# Allegro board 1119394-C028P02-36-DE2-C01_pcb.brd (continued)
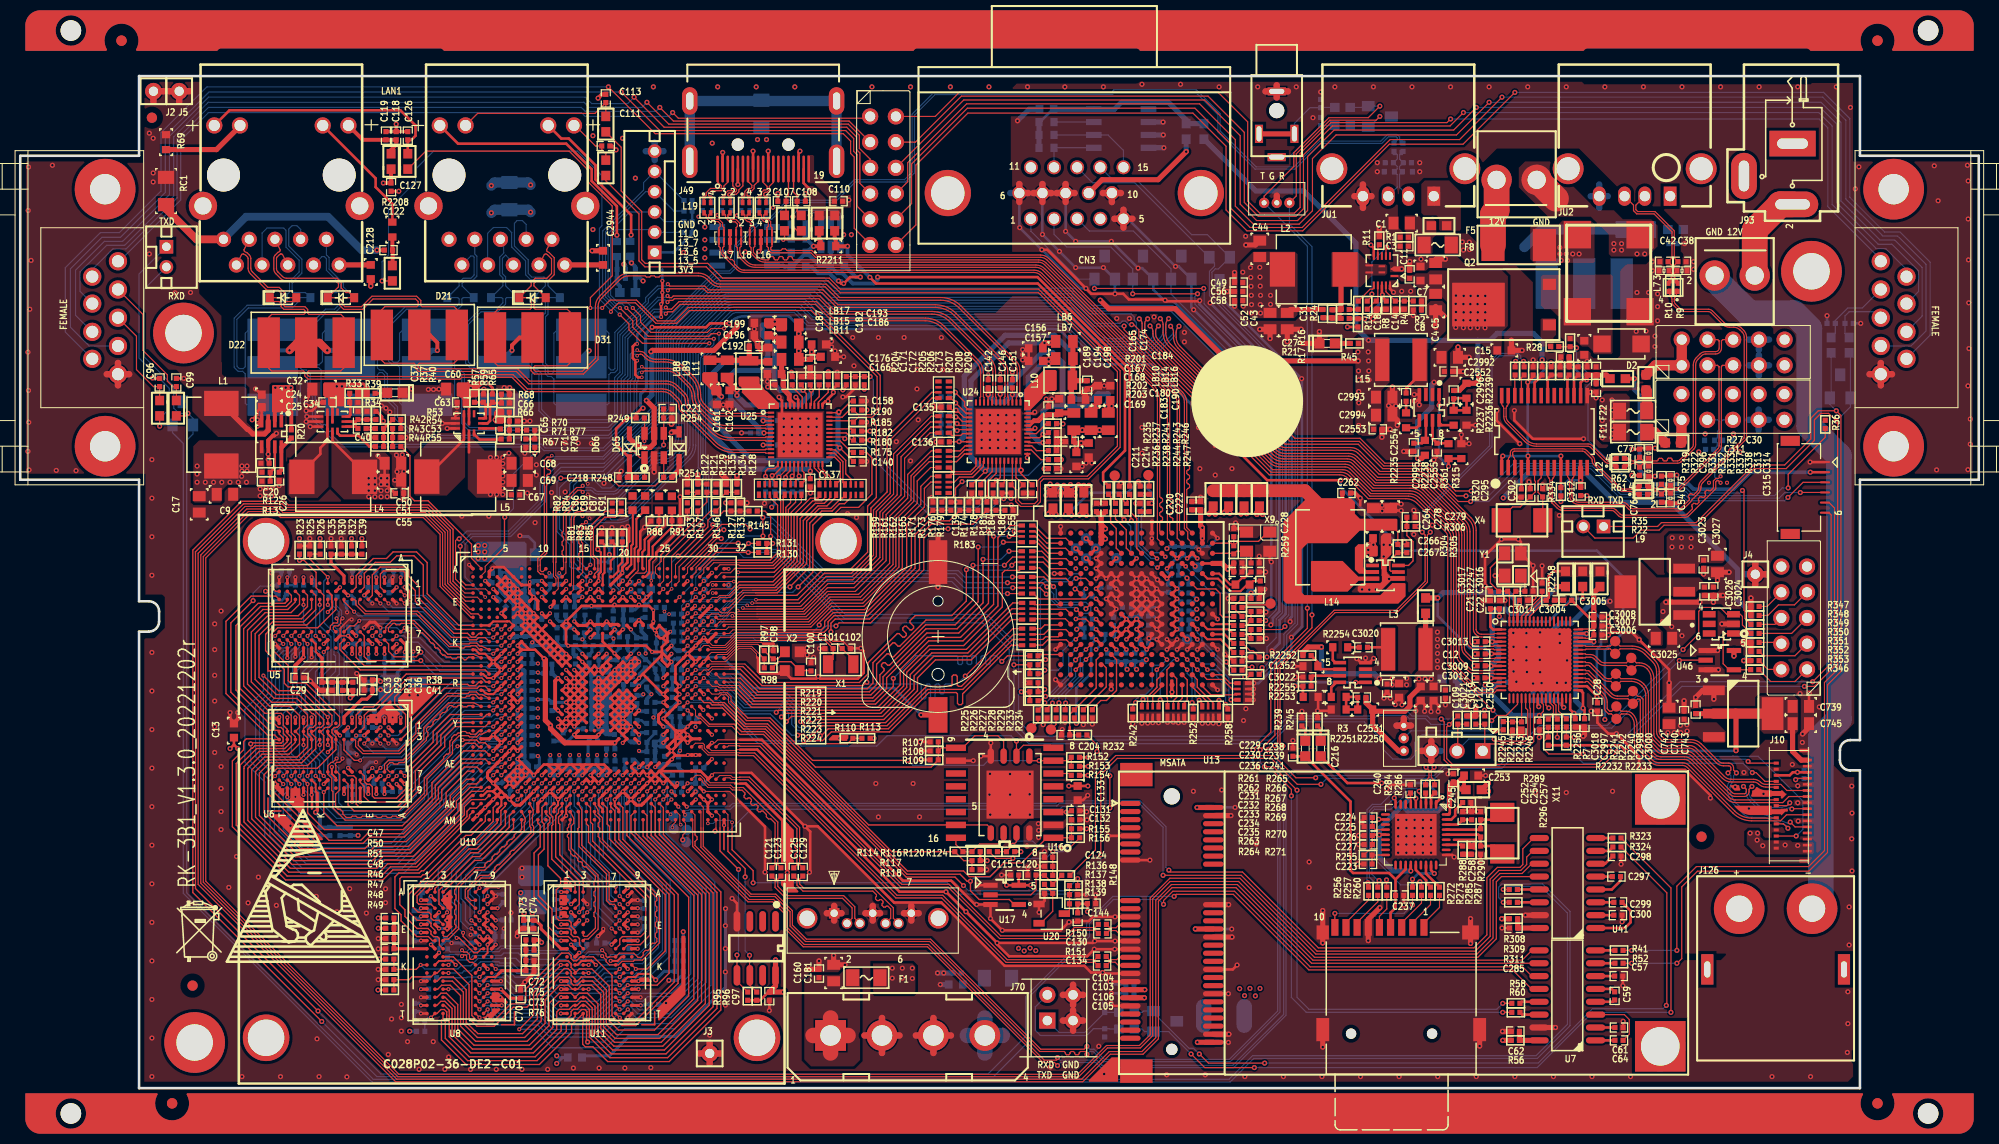
[diagram p0: board, top side]
## Routing (per net, layer and track width the routed paths; a pad name or vN(x,y) marks a point on that pad's centre or on a via; arc(x,y) is an arc through that point) (continued)
GND_EARTH: length 169.2
  TOP w0.305: C118.2 v2(37.13,95.25) ; C118.2 C126.2 ; C118.2 C119.2 ; C111.2 58.47,93.09 v2(58.85,92.71)
  TOP w0.381: D21.2 40.44,74.42 41.2,73.66 v2(41.2,72.9) ; v2(57.07,97.82) 57.45,98.2 C113.2 ; v2(48.56,72.9) 48.56,73.41 49.33,74.17 D31.2 ; C122.2 v2(35.23,82.8)
  TOP w0.762: v2(26.59,72.9) 27.36,73.66 D22.2 29.57,73.66 v2(30.33,72.9) ; J11.10 17.4,83.87 14.4,86.87 RC1.1
  GND02 w0.508: 54.72,85.16 55.49,85.16 55.93,85.6 57.07,85.6 58.85,87.38 v2(58.85,92.71) 58.34,93.22 58.34,94.74 57.07,96.01 v2(57.07,97.82)
  GND02 w0.762: J115.10 44.97,86.49 v2(46.53,86.49) 50.34,86.49 ; J115.10 39.6,83.87 38.53,82.8 v2(35.23,82.8) ; J115.10 42.35,82.94 41.2,81.79 v2(41.2,72.9) ; 50.34,86.49 v2(50.41,86.55) 50.47,86.49 ; 50.34,86.49 50.47,86.49 ; 50.47,86.49 53.39,86.49 54.72,85.16 54.72,84.14 55.3,83.57 55.3,76.96 56.18,76.07 v2(56.18,72.86) 56.15,72.9 v2(48.56,72.9) ; J11.10 19.74,83.53 19.74,77.47 24.31,72.9 v2(26.59,72.9)
  PWR03 w0.508: v2(58.85,92.71) 58.85,86.11 58.09,85.34 58.09,82.93 v2(59.61,81.41) ; v2(37.13,95.25) 37.13,91.31 36.63,90.81 36.63,84.2 v2(35.23,82.8)
  BOTTOM w0.381: v2(26.59,72.9) 25.45,72.9 24.94,72.39 D20.2 ; v2(59.61,81.41) 59.77,81.25 C117.2 C116.2
  BOTTOM w0.508: v2(41.2,72.9) 40.69,72.9 40.18,72.39 D34.2 ; D32.2 55.42,72.1 v2(56.18,72.86) ; D33.2 47.8,72.14 v2(48.56,72.9) ; D19.2 32.56,72.14 31.8,72.9 v2(30.33,72.9)
  BOTTOM w0.762: v2(35.23,82.8) 33.71,82.8 30.4,86.11 22.31,86.11 J11.10
  BOTTOM w1.016: v2(50.41,86.55) 50.16,86.79 RC2.1 46.84,86.79 v2(46.53,86.49)
PGND: length 82.1
  TOP w2.54: 151.69,87.88 149.83,89.75 J125.2
  GND02 w2.54: 154.23,84.84 149.78,89.28 J125.2
  BOTTOM w0.635: 167.36,79.96 167.36,78.59
  BOTTOM w2.54: J94.2 167.36,79.96 170.74,76.58 175.18,76.58 176.71,75.06 176.71,65.41 179.63,62.48 179.63,36.45 177.85,34.67 177.85,18.6 J126.2
  vias: v2(157.4,83.44) v2(157.4,82.8) v2(158.17,83.44) v2(158.17,82.8) v2(159.69,82.42) v2(160.45,82.42)
VCC12_TX: length 28.4
  TOP w0.127: U1.59 149.09,46.6 150.19,47.7 152.73,47.7 C3005.2 ; C3006.2 155.08,44.43 154.61,44.43 154.57,44.48 153.93,44.48 U1.46 ; U1.48 153.94,45.36 155.12,45.36 C3007.2
  TOP w0.254: C3008.2 154.89,46.56 C3005.2 ; C28.1 155.73,38.13 v2(155.73,38.63) 155.73,38.73 154.75,39.72 U1.34 ; C3006.2 C3007.2
  TOP w0.508: C3007.2 C3008.2 v2(155.42,47.09) 155.42,48.95 LB57.2
  BOTTOM w0.254: v2(155.73,38.63) 155.73,43.36 156.13,43.76 156.13,46.38 v2(155.42,47.09)
VCC12A_RX: length 20.5
  TOP w0.254: C3012.2 145.27,40.54 v2(145.29,40.52) U1.13 ; C3009.2 145.26,41.73 v2(145.28,41.72) U1.10 ; U1.4 v2(145.39,44.12) 145.39,44.12 C3013.2
  TOP w0.508: v2(151.74,49.56) LB55.2
  BOTTOM w0.508: v2(151.74,49.56) 149.1,46.91 147.17,46.91 146.76,47.32 145.75,47.32 145.39,46.96 v2(145.39,44.12) 146.02,43.48 146.02,42.46 v2(145.28,41.72) 145.28,40.53 v2(145.29,40.52)
VCC12D_RX: length 15.2
  TOP w0.254: v2(154.33,48.36) LB56.2 ; U1.1 145.49,45.32 145.21,45.59 C21.1 C22.2 v2(146.1,46.61)
  BOTTOM w0.254: v2(154.33,48.36) 153.24,48.36 150.98,46.1 146.61,46.1 v2(146.1,46.61)
VCC33: length 23.1
  TOP w0.254: J10.27 v2(175.54,31.21) 175.08,31.21 174.78,30.91 J10.26
  TOP w0.508: C2531.2 132.92,38.07 R2250.2 ; v2(143.76,37.72) R2243.2 R2244.2 ; U46.5 v2(169.27,42.7) ; v2(147.37,34.92) 147.37,35.36 R7.1 ; R2250.2 133.58,35.89 136.14,33.32 J122.1 ; R2250.2 133.76,37.24 136.75,37.24 137.26,37.74 137.26,38.62 C3019.1 ; L3.2 138.81,46.91 LB53.1
  vias: v2(138.15,40.44) v2(138.76,40.44) v2(139.37,40.44) v2(139.98,45.06) v2(139.98,44.35) v2(139.98,43.66) v2(139.98,42.95) v2(139.98,42.21) v2(139.98,41.55) v2(162.74,35.13) v2(163.14,53.47) v2(163.17,54.38) v2(163.37,35.13) v2(163.98,35.84) v2(164.01,35.13) v2(164.08,54.38) v2(164.08,53.47) v2(164.62,35.92) v2(164.64,35.28) v2(165.05,54.36) v2(165.02,53.47) v2(170.87,25.2) v2(171.6,25.2) v2(171.55,24.51) v2(172.11,23.95) v2(174.32,24.03) v2(175.56,23.98)
VCC33_RX: length 22.4
  TOP w0.254: C12.1 145.31,42.9 v2(145.32,42.92) U1.7 ; C3014.2 v2(148.08,47.85) 148.08,47.73 147.89,47.53 U1.62
  TOP w0.508: LB53.2 v2(140,48.44)
  BOTTOM w0.254: v2(140,48.44) 140,46.66 143.18,43.48 144.68,43.48 145.25,42.92 v2(145.32,42.92)
  BOTTOM w0.508: v2(148.08,47.85) 146.96,48.97 140.54,48.97 v2(140,48.44)
VCC33_TX: length 39.6
  TOP w0.114: U1.14 146.23,40.06 144.93,40.06 v2(144.7,39.83) ; U1.25 150.29,38.08 150.44,37.92 150.44,37.24 v2(150.04,36.83)
  TOP w0.254: C3000.2 154.51,37.39 v2(154.36,37.54) 154.36,39.06 154.1,39.32 U1.33 ; C2997.2 v2(150.04,36.83) ; U1.45 v2(155.42,44.12) ; U1.32 153.09,37.41 v2(153.47,37.03) 153.59,36.91 C2998.2 ; U1.47 v2(154.71,44.92)
  BOTTOM w0.508: C3001.2 C6.2 154.68,44.88 v2(154.71,44.92) ; C3001.2 155.3,43.99 v2(155.42,44.12) ; C3001.2 153.64,38.25 v2(154.36,37.54) 153.85,37.03 v2(153.47,37.03) 153.26,36.83 v2(150.04,36.83) 147.37,36.83 145.1,39.1 ; 144.68,39.1 C2.1 141.96,39.23 LB54.2 ; 144.68,39.1 144.68,39.8 v2(144.7,39.83) ; 144.68,39.1 145.1,39.1 ; 145.1,39.1 C2999.1
VCC_5V_SATA1: length 6.9
  BOTTOM w1.524: 97,5.21 J70.4 ; J70.4 93.55,5.21 ; J70.4 95.28,6.93 ; J70.4 95.28,3.48
VCC_12V_SATA1: length 6.9
  TOP w1.524: 80.04,6.93 J70.1 ; J70.1 81.76,5.21 ; J70.1 80.04,3.48 ; J70.1 78.31,5.21
VDD: length 27.3
  TOP w0.127: C3004.2 150.29,48.21 148.69,46.61 U1.60
  TOP w0.254: U1.30 152.29,37.78 v2(152.45,37.62) ; C3004.2 150.98,48.46 150.98,50.62 151.43,51.08 LB55.1 ; v2(149.99,37.69) 149.89,37.79 U1.24
  BOTTOM w0.254: C19.2 151.76,38.3 v2(152.45,37.62) ; v2(149.99,37.69) 149.99,38.33
  BOTTOM w0.508: 151.03,38.33 151.03,44.91 152.07,45.95 153.21,45.95 155.37,48.11 v2(157.02,48.11) ; 151.03,38.33 151.74,38.33 C19.2 ; 151.03,38.33 C16.1 C3002.2
VDD18: length 2.3
  TOP w0.114: U34.13 133.87,25.54 C225.2 C224.2
VDD18PLL: length 2.7
  TOP w0.254: C254.2 C252.2 142,26.04 U34.34
AC0_MICBIAS1: length 6.3
  TOP w0.203: U10.D19 v1(59.52,49.32)
  BOTTOM w0.114: C391.1 58.98,53.62 58.98,49.76 59.42,49.32 v1(59.52,49.32)
AC0_MICBIAS2: length 0.6
  TOP w0.203: U10.C19 v1(59.52,50.12)
AC0_VREF: length 3.9
  TOP w0.127: U10.D21 v1(61.12,48.52)
  BOTTOM w0.254: v1(61.12,48.52) 61.65,47.99 61.65,47.83 ; C368.1 62.31,49.26 62.31,48.23 61.9,47.83 61.65,47.83 ; 61.65,47.83 61.65,47.39 C374.1
BOOT_SEL0: length 2.1
  TOP w0.127: U10.J27 v1(65.92,45.32)
  BOTTOM w0.095: v1(65.92,45.32) 65.66,45.06 R386.2 R387.2
BOOT_SEL1: length 29.8
  TOP w0.095: 73.38,45.29 70.39,45.29 70.02,44.92 U10.J32
  TOP w0.114: R162.2 R161.2 R159.2
  TOP w0.127: 73.38,45.29 79.12,45.29 79.45,45.62 79.45,46.13 80.31,46.99 83.57,46.99 88.02,51.45 88.02,54.98 R159.2
BOOTROM_SEL: length 40.5
  TOP w0.114: R176.2 R179.2 R183.1
  TOP w0.127: v1(65.92,43.72) U10.L27 ; R176.2 94.11,55.73 89.99,55.73 88.82,54.56 88.82,51.28 83.9,46.35 80.49,46.35 80.07,45.94 v2(80.07,45.1)
  BOTTOM w0.095: 73.38,44.25 72.62,44.25 72.35,44.51 68.41,44.51 67.82,43.92 67.36,43.92 67.18,43.75 67.18,43.59 66.95,43.36 66.28,43.36 v1(65.92,43.72)
  BOTTOM w0.114: v2(80.07,45.1) 79.15,44.17 73.46,44.17 73.38,44.25
CORE_FB: length 2.7
  TOP w0.254: R66.2 R70.1 R71.1 R67.2
CPU_FB: length 3
  TOP w0.254: R53.1 R42.2 R43.1 R44.2
CRD_PWR: length 25.9
  TOP w0.254: J113.4 135.35,17.34 135.84,17.83 C237.1 135.84,20.62 ; C216.1 D15.A 131.39,28.32 131.39,21.51 131.65,21.26 135.2,21.26 135.84,20.62 ; 135.84,20.62 136.85,21.63 U34.21
CSCL: length 15.3
  TOP w0.114: U1.21 148.69,37.57 148.89,37.36 148.89,34.54 148.64,34.29 145.8,34.29 v2(145.59,34.49) ; R2244.1 R2245.1 141.99,33.4 J121.2
  BOTTOM w0.114: v2(145.59,34.49) 143.08,34.49 J121.2
CSDA: length 12.6
  TOP w0.114: U1.22 149.09,37.58 149.15,37.52 149.15,34.42 148.74,34.01 145.14,34.01 144.65,33.53 ; 144.65,33.53 J121.1 ; 144.65,33.53 R2246.1 R2243.1
CTS1: length 141.2
  TOP w0.114: 86.49,88.39 87.66,89.56 87.66,91.44 93.47,97.26 116.48,97.26 120.02,93.73 120.02,87.15 121.8,85.37 126.31,85.37 127.64,86.69 127.64,91.85 129.97,94.18 141.86,94.18 v2(145.08,97.41)
  BOTTOM w0.114: J22.8 187.86,76.28 187.86,81.08 185.14,83.79 183.69,83.79 180.95,86.54 179.83,87.66 179.83,95.43 177.85,97.41 v2(145.08,97.41)
CTS2: length 102.7
  TOP w0.114: v2(60.63,97.92) 63.6,94.95 81.64,94.95 82.6,93.98 82.6,92.74 82.93,92.41 82.93,89.41 83.95,88.39
  BOTTOM w0.114: v2(60.63,97.92) 59.99,97.28 56.44,97.28 55.8,97.92 18.59,97.92 14.74,94.06 14.74,88.3 10.11,83.67 8.31,83.67 5.46,80.82 5.46,76.38 J23.7
CVBS_OUT: length 2.5
  TOP w0.203: U10.D18 v1(58.59,49.19)
  BOTTOM w0.203: v1(58.59,49.19) 58.19,49.58 R396.1
DCD1: length 125.3
  TOP w0.114: J7.2 90.37,96.01 92.76,98.4 118.31,98.4 121.23,95.48 121.23,87.66 122.43,86.46 125.86,86.46 126.42,87.02 126.42,92.35 129.46,95.4 140.92,95.4 v2(141.27,95.76)
  BOTTOM w0.114: J22.1 183.77,81.89 178.54,87.12 178.54,94.89 177.67,95.76 v2(141.27,95.76)
DCD2: length 84.5
  TOP w0.114: J7.1 83.77,95.83 65,95.83 v2(64.44,96.39)
  BOTTOM w0.114: J23.5 9.8,81.7 15.85,87.76 15.85,93.65 18.59,96.39 55.42,96.39 55.8,96.01 64.06,96.01 v2(64.44,96.39)
DCDC_EN: length 25.9
  TOP w0.114: R2241.1 R2232.1 150.44,34.21 150.44,33.55 150.98,33.02 v2(154.38,33.02) ; J10.30 170.83,32.11 v2(170.66,32.28)
  BOTTOM w0.114: v2(154.38,33.02) 154.9,32.5 170.45,32.5 v2(170.66,32.28)
DDC_SCL_A: length 9.7
  TOP w0.127: v2(78.03,86.23) 78.03,84.2 77.65,83.82 v1(75.36,83.82) 75.49,83.95 L28.2
  BOTTOM w0.114: v2(78.03,86.23) 78.3,86.5 78.78,86.5 79.11,86.17 U75.1 ; R1121.2 76.02,83.82 v1(75.36,83.82) U58.6
DDC_SDA_A: length 10.9
  TOP w0.127: v2(76.31,86.11) 76.31,85.15 76.76,84.71 L29.1
  BOTTOM w0.114: U75.3 81.01,86.43 80.7,86.74 76.76,86.74 76.31,86.3 v2(76.31,86.11) 76.31,85.51 R1120.2 75.9,85.09 U58.5
DDC_VGA_SCL: length 9.2
  BOTTOM w0.114: CN3.15 108.97,92.66 107.44,94.18 U27.6 R160.2
DDC_VGA_SDA: length 5.9
  BOTTOM w0.114: U27.5 R2212.2 CN3.12
DDR0_A0: length 46.8
  TOP w0.127: v1(27.98,33.91) U6.N3 ; U10.Y6 v1(48.32,35.72) ; v1(27.98,47.76) U5.N3
  BOTTOM w0.127: v1(27.98,47.76) 27.98,45.96 28.78,45.16 28.78,44.53 29.23,44.08 29.23,43.39 29.58,43.04 29.58,42.19 28.15,40.76 28.15,37.29 28.37,37.08 28.37,36.42 27.98,36.02 v1(27.98,33.91) 27.98,32.85 28.78,32.05 28.78,30.68 29.11,30.36 29.11,29.67 29.58,29.2 29.58,28.32 31.24,26.66 38.03,26.66 39.92,28.56 39.92,29.28 45.96,35.32 47.92,35.32 v1(48.32,35.72)
DDR0_A1: length 49.9
  TOP w0.127: v1(26.78,44.69) U5.P7 ; v1(26.78,30.85) U6.P7 ; U10.AC5 v1(47.52,33.32)
  BOTTOM w0.127: v1(26.78,44.69) 27.17,44.3 27.17,43.61 26.47,42.91 26.2,42.91 25.98,42.68 25.98,38.31 24.77,37.11 24.77,33.41 26.78,31.4 v1(26.78,30.85) 26.78,30.61 27.18,30.2 27.18,29.55 26.77,29.13 26.77,28.47 27.5,27.75 27.5,24.7 28.82,23.38 36.9,23.38 41.45,27.93 41.45,28.62 46.53,33.71 46.9,33.71 47.29,33.32 v1(47.52,33.32)
DDR0_A2: length 60.3
  TOP w0.127: U10.AJ1 44.57,28.92 43.61,27.97 43.61,27.19 38.96,22.53 36.01,22.53 35.2,21.72 26.68,21.72 22.1,26.3 22.1,31.58 22.11,31.6 22.11,31.78 23.61,33.28 26.29,33.28 27.18,34.17 U6.P3 27.18,34.71 26.77,35.12 26.77,36.83 26.22,37.39 24.41,37.39 22.06,39.74 22.06,45.39 23.97,47.29 26.42,47.29 27.18,48.06 U5.P3
DDR0_A3: length 62.6
  TOP w0.127: U5.N2 28.37,48.7 28.37,47.59 27.46,46.69 24.44,46.69 22.83,45.07 22.83,40.14 24.84,38.13 27.13,38.13 28.37,36.89 28.37,35.91 27.98,35.51 U6.N2 27.98,35.01 28.37,34.61 28.37,33.74 27.36,32.72 24.13,32.72 22.86,31.45 22.86,26.62 26.99,22.48 34.8,22.48 35.56,23.24 38.56,23.24 43.08,27.76 43.08,28.37 44.43,29.72 U10.AH2
DDR0_A4: length 48.7
  TOP w0.127: v1(27.58,43.89) 27.18,44.29 U5.P8 ; U10.AB6 v1(48.32,34.12) ; v1(27.58,30.05) U6.P8
  BOTTOM w0.127: v1(48.32,34.12) 47.92,33.72 47.32,33.72 47.03,34 46.28,34 41.07,28.79 41.07,28.08 36.77,23.78 28.98,23.78 27.97,24.79 27.97,28.2 27.57,28.6 27.57,30.04 v1(27.58,30.05) 27.58,30.22 27.18,30.62 27.18,31.54 25.15,33.57 25.15,36.95 26.45,38.25 26.45,41.92 26.78,42.25 26.78,42.79 27.58,43.58 v1(27.58,43.89)
DDR0_A5: length 62.9
  TOP w0.127: U5.P2 27.58,48.68 27.58,47.83 26.75,46.99 24.2,46.99 22.44,45.23 22.44,39.92 24.62,37.74 26.65,37.74 27.58,36.81 27.58,35.65 U6.P2 27.58,34.84 27.58,34.04 26.54,33 23.87,33 22.48,31.6 22.48,26.46 26.84,22.1 35.03,22.1 35.84,22.91 38.84,22.91 43.36,27.43 43.36,28.12 44.57,29.33 45.68,29.33 46.08,29.72 U10.AH3
DDR0_A6: length 48.7
  TOP w0.127: U10.AD4 v1(46.72,32.52) ; v1(26.78,43.89) 26.38,44.29 U5.R8 ; v1(26.78,30.05) U6.R8
  BOTTOM w0.127: v1(46.72,32.52) 45.86,32.52 41.83,28.49 41.83,27.77 37.04,22.98 28.58,22.98 25.98,25.57 25.98,28.96 26.78,29.75 v1(26.78,30.05) 26.78,30.19 26.37,30.59 26.37,31.26 24.39,33.24 24.39,37.27 25.6,38.47 25.6,42.81 26,43.22 26.27,43.22 26.78,43.72 v1(26.78,43.89)
DDR0_A7: length 63.7
  TOP w0.127: U5.R2 26.78,48.68 26.78,48.11 26.27,47.6 23.73,47.6 21.68,45.55 21.68,39.52 24.17,37.03 25.76,37.03 25.98,36.81 25.98,35.84 26.38,35.45 U6.R2 26.38,35.07 26.78,34.66 26.78,34.22 26.12,33.56 23.35,33.56 21.72,31.92 21.72,26.15 26.52,21.34 35.46,21.34 36.29,22.17 39.03,22.17 43.87,27.01 43.87,27.81 44.57,28.51 45.91,28.51 U10.AJ3
DDR0_A8: length 50.8
  TOP w0.127: v1(25.98,43.89) 25.58,44.29 U5.T8 ; U10.AE5 v1(47.52,31.72) ; v1(25.98,30.05) U6.T8
  BOTTOM w0.127: v1(25.98,43.89) 25.73,43.89 24.83,42.99 24.83,38.79 23.63,37.58 23.63,32.92 25.56,30.99 25.56,30.46 v1(25.98,30.05) 25.1,29.17 25.1,25.3 28.22,22.18 37.32,22.18 42.59,27.45 42.59,28.11 46.2,31.72 v1(47.52,31.72)
DDR0_A9: length 61.8
  TOP w0.127: U10.AK2 45.06,27.66 44.43,27.66 44.12,27.36 44.12,26.84 39.16,21.87 36.57,21.87 35.66,20.96 26.36,20.96 21.33,25.99 21.33,32.08 22.85,33.59 22.93,33.59 23.18,33.84 25.32,33.84 25.32,33.84 25.83,33.84 25.83,33.84 25.98,33.84 26.38,34.23 U6.R3 26.38,34.65 26,35.03 26,35.41 25.77,35.64 25.47,35.64 25.04,36.07 24.57,36.07 21.3,39.34 21.3,45.71 23.5,47.9 26.13,47.9 26.38,48.15 U5.R3
DDR0_A10: length 40.3
  TOP w0.127: v1(29.98,30.85) U6.L7 ; U10.Y4 v1(46.72,35.72) ; v1(29.98,44.69) U5.L7
  BOTTOM w0.127: v1(29.98,44.69) 30.38,44.29 30.38,41.82 29.55,40.99 29.55,34.5 29.17,34.12 29.17,33.29 29.98,32.49 v1(29.98,30.85) 30.5,30.32 30.5,27.97 31.43,27.04 37.87,27.04 39.54,28.72 39.54,29.45 45.82,35.72 v1(46.72,35.72)
DDR0_A11: length 52.1
  TOP w0.127: U5.R7 v1(25.98,44.69) ; U10.AD6 v1(48.32,32.52) ; U6.R7 v1(25.98,30.85)
  BOTTOM w0.127: v1(25.98,44.69) 26.37,44.3 26.37,43.73 26.14,43.5 25.79,43.5 25.21,42.92 25.21,38.63 24.01,37.43 24.01,33.08 25.98,31.11 v1(25.98,30.85) 25.98,30.58 26.37,30.19 26.37,29.88 25.55,29.06 25.55,25.44 28.41,22.58 37.18,22.58 42.21,27.61 42.21,28.37 45.95,32.11 47.91,32.11 v1(48.32,32.52)
DDR0_A12: length 48.5
  TOP w0.127: v1(27.58,30.85) U6.N7 ; v1(27.58,44.69) U5.N7 ; U10.AA6 v1(48.32,34.92)
  BOTTOM w0.127: v1(48.32,34.92) 47.92,34.52 47.28,34.52 47.04,34.28 46.01,34.28 40.69,28.95 40.69,28.24 36.65,24.21 29.18,24.21 28.38,25 28.38,29.14 27.97,29.55 27.97,30.26 27.58,30.66 v1(27.58,30.85) 27.58,31.69 25.97,33.3 25.97,37.01 26.91,37.95 26.91,41.62 27.58,42.29 27.58,43.01 27.97,43.39 27.97,44.3 v1(27.58,44.69)
DDR0_A13: length 62.2
  TOP w0.127: U5.T3 25.25,48.62 22.81,48.62 20.32,46.13 20.32,38.99 24.41,34.9 25.12,34.9 U6.T3 24.91,34.45 24.84,34.52 22.33,34.52 22.06,34.25 22.06,33.44 20.95,32.33 20.95,25.83 26.2,20.58 35.81,20.58 36.8,21.56 39.28,21.56 43.46,25.74 43.46,25.81 44.38,26.73 44.38,26.79 44.38,26.98 U10.AL1
DDR0_A14: length 44.7
  TOP w0.127: U6.T7 v1(25.17,30.84) 24.79,30.46 24.79,29.52 27.43,26.88 28.1,26.88 30.5,24.49 33.63,24.49 34.29,25.14 37.85,25.14 41.3,28.59 41.3,29.71 43.71,32.12 U10.AE2 ; U5.T7 v1(25.18,44.69)
  BOTTOM w0.127: v1(25.18,44.69) 24.45,43.97 24.45,38.95 23.25,37.74 23.25,32.76 v1(25.17,30.84)
DDR0_A15: length 43
  TOP w0.127: v1(28.38,30.85) U6.M7 ; v1(28.38,44.69) 28.78,45.09 U5.M7 ; U10.AA5 v1(47.52,34.92)
  BOTTOM w0.127: v1(28.38,44.69) 28.38,44.5 28.77,44.11 28.77,43.39 29.17,42.99 29.17,42.38 27.77,40.98 27.77,37.29 27.58,37.1 27.58,32.73 28.38,31.94 v1(28.38,30.85) 28.38,30.69 28.77,30.3 28.77,29.55 29.17,29.15 29.17,28.15 31.04,26.28 38.18,26.28 40.31,28.4 40.31,29.12 45.72,34.53 46.91,34.53 47.3,34.92 v1(47.52,34.92)
DDR0_BA0: length 61.7
  TOP w0.127: U5.M2 29.18,48.68 29.18,47.27 27.98,46.08 24.92,46.08 23.59,44.74 23.59,40.59 25.29,38.89 27.51,38.89 29.98,36.41 29.98,35.92 29.7,35.64 29.36,35.64 28.97,35.25 U6.M2 28.78,35.03 29.18,34.63 29.18,33.53 27.81,32.16 24.64,32.16 23.62,31.14 23.62,26.94 27.31,23.25 34.37,23.25 35.01,23.89 38.34,23.89 42.47,28.02 42.47,28.91 44.08,30.52 U10.AG1
DDR0_BA1: length 41.5
  TOP w0.127: U10.AE3 45.93,32.51 43.56,32.51 41,29.95 41,28.72 37.83,25.55 30.04,25.55 28.38,27.21 v1(28.38,30.05) U6.N8 ; v1(28.38,43.89) 27.98,44.29 U5.N8
  BOTTOM w0.127: v1(28.38,30.05) 28.38,30.28 27.97,30.68 27.97,31.85 26.78,33.03 26.78,37.06 27.34,37.62 27.34,41.27 28.38,42.3 v1(28.38,43.89)
DDR0_BA2: length 61.8
  TOP w0.127: U10.AG2 45.06,30.06 44.21,30.06 42.77,28.63 42.77,27.89 38.46,23.57 35.35,23.57 34.65,22.87 27.15,22.87 23.24,26.78 23.24,31.29 24.39,32.44 27.58,32.44 28.78,33.63 U6.M3 28.78,34.63 28.38,35.02 28.38,35.43 28.6,35.64 28.92,35.64 29.2,35.92 29.2,36.74 28.93,37.01 28.83,37.01 27.33,38.51 25.08,38.51 23.21,40.38 23.21,44.9 24.69,46.38 27.78,46.38 28.78,47.38 28.78,48.29 U5.M3
DDR0_CAS_N: length 40.6
  TOP w0.127: U5.K3 v1(30.38,47.76) ; U10.AC3 45.91,34.13 45.34,34.13 45.07,34.39 v1(43.7,34.39) ; U6.K3 v1(30.38,33.91)
  BOTTOM w0.127: v1(30.38,47.76) 30.85,47.28 30.85,45.78 31.39,45.24 31.39,43.08 31.52,42.95 31.52,40.92 31.01,40.41 31.01,36.35 30.38,35.71 v1(30.38,33.91) 30.85,33.44 30.85,32.24 31.46,31.64 31.46,28.21 31.87,27.8 37.42,27.8 38.69,29.07 38.69,29.97 43.11,34.39 v1(43.7,34.39)
DDR0_CKE: length 38.9
  TOP w0.127: U10.AD3 45.91,33.33 43.81,33.33 40.67,30.19 40.67,28.85 37.74,25.93 31.28,25.93 29.98,27.24 v1(29.98,29.25) U6.K9 ; v1(29.98,43.09) U5.K9
  BOTTOM w0.127: v1(29.98,29.25) 29.57,29.65 29.57,32.35 28.79,33.13 28.79,34.24 29.19,34.64 29.19,37.37 29.17,37.39 29.17,41.17 29.98,41.98 v1(29.98,43.09)
DDR0_CLK0_N: length 46.2
  TOP w0.107: 30.77,29.41 30.77,30.62 30.38,31.01 U6.K7
  TOP w0.114: v1(31.25,46.42) 31.36,46.31 31.36,46.05 31.27,45.97 30.93,45.97 30.63,45.67 30.63,45.34 U5.K7 ; U6.K7 30.38,31.86 30.7,32.19 30.86,32.19 v1(31.25,32.57) ; U10.AA3 45.59,34.98 45.36,34.98 45.09,34.7 44.39,34.7 44.27,34.83 43.36,34.83 42.7,34.17 42.7,33.06 40.17,30.54 40.17,29.05 37.6,26.48 32.09,26.48 30.88,27.69 30.88,29.3 30.77,29.41
  BOTTOM w0.114: R410.2 30.89,48.13 30.89,47.65 31.47,47.07 31.47,46.64 v1(31.25,46.42) 31.34,46.32 31.34,45.92 31.71,45.56 31.71,43.23 31.99,42.95 31.99,40.66 31.53,40.2 31.53,35.97 30.88,35.33 30.88,34.34 31.41,33.81 31.41,32.73 v1(31.25,32.57)
DDR0_CLK0_P: length 46.1
  TOP w0.114: v1(31.83,46.42) 31.65,46.23 31.65,45.93 31.39,45.67 31.05,45.67 30.92,45.55 30.92,45.34 U5.J7 ; v1(31.83,32.57) 31.83,32.47 31.56,32.2 31.26,32.2 31.13,32.07 31.13,31.92 31.18,31.87 U6.J7 31.29,31.25 31.56,30.98 31.56,29.47 31.15,29.06 31.15,27.8 31.39,27.56 31.6,27.56 31.87,27.3 31.87,27.09 32.2,26.75 32.66,26.75 32.8,26.88 33.16,26.88 33.29,26.75 33.66,26.75 33.79,26.88 34.15,26.88 34.29,26.75 34.65,26.75 34.78,26.88 35.14,26.88 35.28,26.75 35.64,26.75 35.77,26.88 36.13,26.88 36.27,26.75 36.63,26.75 36.76,26.88 37.12,26.88 37.26,26.75 37.49,26.75 39.91,29.16 39.91,30.65 41.83,32.57 41.83,32.74 42.09,33.01 42.26,33.01 42.43,33.17 42.43,34.28 42.61,34.46 42.61,34.65 42.87,34.91 43.06,34.91 43.25,35.1 43.48,35.1 43.63,35.24 43.98,35.24 44.12,35.1 44.38,35.1 44.5,34.97 44.98,34.97 45.33,35.32 U10.AA2
  BOTTOM w0.114: R410.1 31.15,48.4 31.15,47.76 31.74,47.18 31.74,46.51 v1(31.83,46.42) 31.74,46.42 31.61,46.29 31.61,46.04 31.98,45.67 31.98,43.34 32.26,43.06 32.26,40.55 31.79,40.09 31.79,35.86 31.15,35.22 31.15,34.45 31.67,33.92 31.67,32.73 v1(31.83,32.57)
DDR0_CS_N: length 66.5
  TOP w0.127: R23.1 v2(27.58,52.15) 28.04,52.15 29.22,50.97 29.22,49.45 U5.L2 29.98,48.68 29.98,47.44 28.32,45.77 25.16,45.77 24.23,44.85 24.23,43.23 26.09,41.38 26.09,40.01 26.44,39.65 27.97,39.65 30.78,36.83 30.78,35.92 30.5,35.64 30.12,35.64 29.73,35.25 U6.L2 29.98,34.84 29.98,33.49 28.38,31.88 25,31.88 24.08,30.96 24.08,27.22 27.63,23.67 34.04,23.67 34.72,24.36 38.13,24.36 42.06,28.3 42.06,29.21 44.17,31.32 U10.AF1
  BOTTOM w0.254: R19.2 v2(27.58,52.15)
DDR0_DM0: length 14.5
  TOP w0.127: v1(34.78,45.49) U5.E7 ; U10.L4 v1(46.72,42.92)
  BOTTOM w0.127: v1(46.72,42.92) 42.22,42.92 39.24,45.9 35.19,45.9 v1(34.78,45.49)
DDR0_DM1: length 14.8
  TOP w0.127: U5.D3 35.18,48.29 v1(35.58,47.89) ; U10.J5 v1(47.52,44.52)
  BOTTOM w0.127: v1(47.52,44.52) 47.12,44.12 42.72,44.12 39.76,47.07 36.39,47.07 v1(35.58,47.89)
DDR0_DM2: length 16.9
  TOP w0.127: v1(34.78,31.65) U6.E7 ; U10.V5 v1(47.52,37.32)
  BOTTOM w0.127: v1(47.52,37.32) 47.12,37.72 43.75,37.72 37.98,31.96 36.61,31.96 35.9,31.25 35.18,31.25 v1(34.78,31.65)
DDR0_DM3: length 16.7
  TOP w0.127: v1(35.58,34.05) U6.D3 ; U10.R6 v1(48.32,39.72)
  BOTTOM w0.127: v1(35.58,34.05) 36.11,33.52 37.36,33.52 43.16,39.32 47.92,39.32 v1(48.32,39.72)
DDR0_DQ0: length 17.7
  TOP w0.127: U5.E3 34.78,48.69 34.78,50.72 35.55,51.49 38.09,51.49 38.38,51.2 38.38,50.57 39.42,49.54 39.42,48.36 42.84,44.94 44.18,44.94 44.55,44.56 44.93,44.56 45.29,44.92 U10.J2
DDR0_DQ1: length 17.8
  TOP w0.127: U10.P5 v1(47.52,40.52) ; v2(39.57,42.25) 34.38,42.25 33.98,42.64 33.98,44.69 U5.F7
  BOTTOM w0.127: v2(39.57,42.25) 41.09,40.72 46.03,40.72 46.23,40.92 46.89,40.92 47.29,40.52 v1(47.52,40.52)
DDR0_DQ2: length 20
  TOP w0.127: U10.J3 45.91,45.33 43.09,45.33 39.81,48.6 39.81,51.68 38.89,52.6 37.19,52.6 36.54,51.95 35.07,51.95 33.98,50.86 33.98,49.49 U5.F2
DDR0_DQ3: length 14.6
  TOP w0.127: U10.N2 34.01,41.72 33.18,42.56 33.18,43.89 U5.F8
DDR0_DQ4: length 18.1
  TOP w0.127: U10.K5 v1(47.52,43.72) ; v1(32.98,47.07) 31.98,48.07 U5.H3
  BOTTOM w0.127: v1(32.98,47.07) 33.39,46.66 39.61,46.66 42.55,43.72 v1(47.52,43.72)
DDR0_DQ5: length 16.9
  TOP w0.127: U5.H8 31.57,43.88 31.57,43.32 33.57,41.33 45.91,41.33 U10.P3
DDR0_DQ6: length 19
  TOP w0.127: U5.G2 32.78,49.1 33.18,49.5 33.18,50.64 34.87,52.33 36.18,52.33 36.83,52.98 39.14,52.98 40.19,51.93 40.19,48.85 43.33,45.72 U10.H1
DDR0_DQ7: length 18.8
  TOP w0.127: v1(33.49,46.18) 32.98,45.67 32.56,45.67 U5.H7 ; U10.K6 v1(48.32,43.72)
  BOTTOM w0.127: v1(48.32,43.72) 47.91,43.31 42.38,43.31 39.41,46.28 33.59,46.28 v1(33.49,46.18)
DDR0_DQ8: length 16.3
  TOP w0.127: U10.M6 v1(48.32,42.12) ; U5.D7 v1(34.78,44.69)
  BOTTOM w0.127: v1(48.32,42.12) 47.92,41.72 47.28,41.72 47.01,41.45 46.2,41.45 46.01,41.65 41.69,41.65 39.27,44.07 37.76,44.07 37.54,44.29 35.18,44.29 v1(34.78,44.69)
DDR0_DQ9: length 12.9
  TOP w0.127: U5.C3 35.98,48.29 v1(36.38,47.89) ; U10.J4 v1(46.72,44.52)
  BOTTOM w0.127: v1(36.38,47.89) 36.79,47.48 40.01,47.48 42.96,44.52 v1(46.72,44.52)
DDR0_DQ10: length 15.3
  TOP w0.127: v2(39.57,43.08) 39.11,42.63 36.92,42.63 36.38,43.16 36.38,43.88 U5.C8 ; U10.N6 v1(48.32,41.32)
  BOTTOM w0.127: v2(39.57,43.08) 41.45,41.2 46.99,41.2 47.26,40.93 47.93,40.93 v1(48.32,41.32)
DDR0_DQ11: length 16.9
  TOP w0.127: U10.K3 45.93,44.51 45.27,44.51 45.05,44.3 44.37,44.3 44.13,44.54 42.6,44.54 39.03,48.11 39.03,49.16 38,50.19 38,50.94 37.83,51.11 35.88,51.11 35.58,50.81 35.58,49.49 U5.C2
DDR0_DQ12: length 12.9
  TOP w0.127: U10.L6 v1(48.32,42.92) ; U5.A7 v1(37.98,45.49)
  BOTTOM w0.127: v1(48.32,42.92) 47.92,42.52 42.06,42.52 39.09,45.49 v1(37.98,45.49)
DDR0_DQ13: length 12.1
  TOP w0.127: v1(37.98,48.69) U5.A2 ; U10.H5 v1(47.52,45.32)
  BOTTOM w0.127: v1(37.98,48.69) 40,48.69 42.91,45.79 47.05,45.79 v1(47.52,45.32)
DDR0_DQ14: length 12.9
  TOP w0.127: U10.M5 v1(47.52,42.12) ; U5.B8 v1(37.18,44.69)
  BOTTOM w0.127: v1(47.52,42.12) 47.3,42.12 46.91,41.73 46.47,41.73 46.12,42.09 41.88,42.09 39.47,44.5 38.09,44.5 37.9,44.69 v1(37.18,44.69)
DDR0_DQ15: length 10.9
  TOP w0.127: U10.H4 v1(46.72,45.32) ; U5.A3 37.58,48.29 v1(37.98,47.89)
  BOTTOM w0.127: v1(37.98,47.89) 40.2,47.89 42.77,45.32 v1(46.72,45.32)
DDR0_DQ16: length 17.5
  TOP w0.127: U10.T5 v1(47.52,38.92) ; v1(33.98,34.05) U6.E3
  BOTTOM w0.127: v1(47.52,38.92) 43.31,38.92 37.52,33.12 34.9,33.12 v1(33.98,34.05)
DDR0_DQ17: length 19
  TOP w0.127: U10.W2 42.45,36.92 40.78,35.25 40.78,34.2 38.35,31.77 38.35,29.85 37.16,28.66 34.99,28.66 34.78,28.87 34.78,29.78 34.53,30.03 34.25,30.03 34,30.28 34,30.83 U6.F7
DDR0_DQ18: length 15.8
  TOP w0.127: U6.F2 33.98,35.65 33.98,36.84 34.43,37.29 35.04,37.29 38.27,40.53 45.6,40.53 46.01,40.12 U10.R3
DDR0_DQ19: length 19.6
  TOP w0.127: U10.W3 46.06,36.92 45.66,36.51 42.62,36.51 41.16,35.05 41.16,34.04 38.69,31.57 38.69,29.72 37.25,28.28 34.5,28.28 33.97,28.81 33.97,29.83 33.58,30.22 U6.F8
DDR0_DQ20: length 20.3
  TOP w0.127: U10.U5 v1(47.52,38.12) ; U6.H3 31.98,33.41 33,32.39 v1(33.58,32.39)
  BOTTOM w0.127: v1(47.52,38.12) 47.11,38.53 43.47,38.53 37.65,32.72 33.91,32.72 v1(33.58,32.39)
DDR0_DQ21: length 22
  TOP w0.127: U10.Y3 45.93,35.73 42.95,35.73 41.93,34.7 41.93,33.72 39.4,31.2 39.4,29.43 37.36,27.39 32.98,27.39 32.38,27.99 32.38,30.05 U6.H8
DDR0_DQ22: length 15
  TOP w0.127: U6.G2 33.18,35.65 33.18,36.87 33.98,37.67 34.88,37.67 38.13,40.92 U10.P1
DDR0_DQ23: length 20.8
  TOP w0.127: U10.Y1 42.79,36.12 41.54,34.88 41.54,33.88 39.02,31.36 39.02,29.59 37.2,27.77 33.49,27.77 33.18,28.08 33.18,30.62 32.93,30.87 32.36,30.87 U6.H7